# Allegro board C112P01-T2-ZDS-A03.brd (continued)
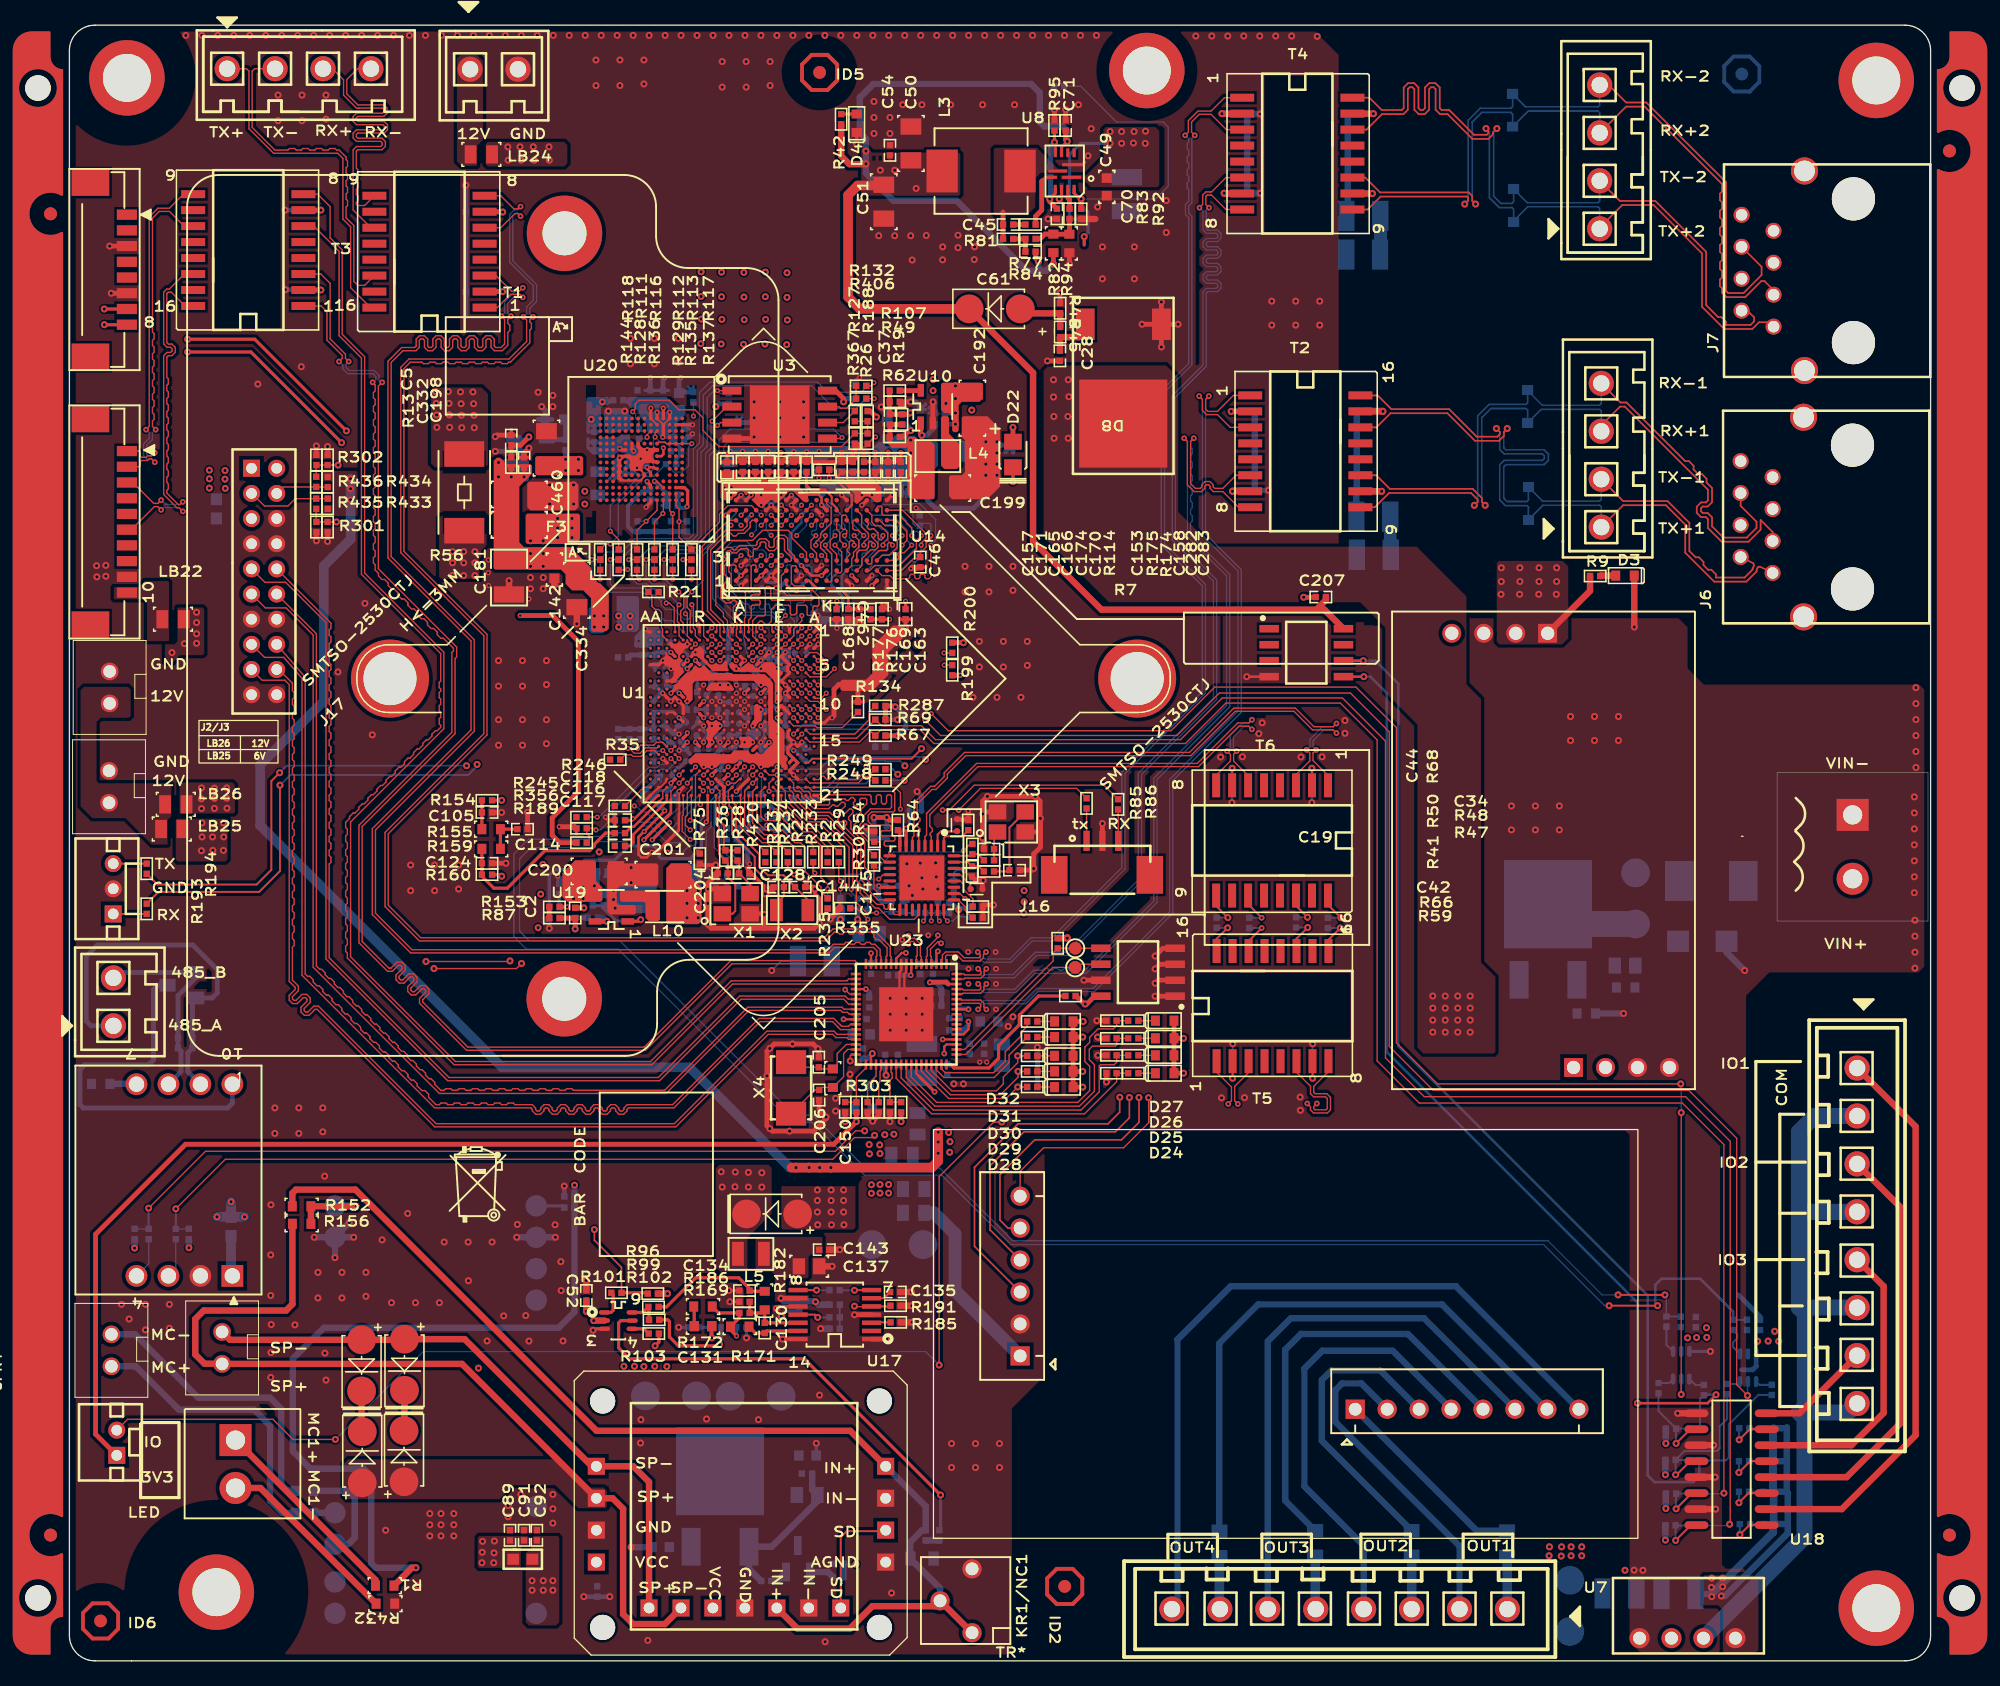
[diagram p0: board, top side]
## Nets (continued)
RMII_TXD0: U1.D19(RMII_TXD0/GPIO7_1/LCD_DATA0) U6.16(TXD0)
RMII_TXD1: U1.C21(RMII_TXD1/TEST_CLK/LCD_DATA1) U6.17(TXD1)
RS485_2_A_D+: D18.2(C2) J19.9 J20.1 R215.1(A) R215.2(B)
RS485_2_B_D-: D18.1(C1) J19.8 J20.2 R214.1(A) R214.2(B)
RS_5V: J19.7 R216.2
RS_GND: D18.3(A) J19.10
RSVD_GMAC_FILTER: R276.1 R290.2 U23.46(LINK_LED4/RSVD_GMAC_FILTER)
RTC_XIN: C145.1(A) U1.L21(RTC_XIN) X2.1
RTC_XOUT: C144.1(A) U1.L20(RTC_XOUT) X2.2
RX+3: R131.1(A) T5.11(RX+)
RX-3: R130.1(A) T5.9(RX-)
RXIM0: U23.58(RXIM0)
RXIM1: T2.8(RD-) U23.64(RXIM1)
RXIM2: T4.8(RD-) U23.68(RXIM2)
RXIM3: T5.8(RD-) U23.6(RXIM3)
RXIM4: T1.8(RD-) U23.13(RXIM4)
RXIM5: T3.8(RD-) U23.19(RXIM5)
RXIM6: U11.9 U23.24(RXIM6)
RXIM7: U11.18 U23.30(RXIM7)
RXIP0: U23.57(RXIP0)
RXIP1: T2.6(RD+) U23.65(RXIP1)
RXIP2: T4.6(RD+) U23.67(RXIP2)
RXIP3: T5.6(RD+) U23.7(RXIP3)
RXIP4: T1.6(RD+) U23.12(RXIP4)
RXIP5: T3.6(RD+) U23.20(RXIP5)
RXIP6: U11.10 U23.23(RXIP6)
RXIP7: U11.17 U23.31(RXIP7)
SD6: R434.2(B) R436.1(A) U11.4
SD7: R433.2(B) R435.1(A) U11.3
SDIO0_CARD_DETECT: U1.U4(SDIO0_CARD_DETECT/GPIO1_1)
SDIO0_CARD_POWER_EN: U1.AA2(SDIO0_CARD_POWER_EN/GPIO1_0)
SDIO0_CCLK_OUT: R21.2(B)
SDIO0_CCMD: U1.Y1(SDIO0_CCMD/GPIO1_3)
SDIO0_CDATA0: U1.W1(SDIO0_CDATA0/GPIO1_4)
SDIO0_CDATA1: U1.V2(SDIO0_CDATA1/GPIO1_5)
SDIO0_CDATA2: U1.W3(SDIO0_CDATA2/GPIO1_6)
SDIO0_CDATA3: U1.Y2(SDIO0_CDATA3/GPIO1_7)
SDIO1_CCLK_OUT: R22.2(B)
SDIO1_CCMD: R234.2(B)
SDIO1_CDATA0: R233.2(B)
SDIO1_CDATA1: R235.2(B)
SDIO1_CDATA2: R236.2(B)
SDIO1_CDATA3: R237.2(B)
SENSOR0_CLK: R245.1(A)
SENSOR0_RSTN/BOOT_SEL1: R189.2(B) R356.1(A) U1.V16(SENSOR0_RSTN/GPIO4_1/BOOT_SEL1)
SFC_CLK: R127.2(B) U3.6(SCK)
SFC_CSN: R136.2(B) R192.2(B) U3.1(\\C\S\)
SFC_HOLD_IO3: R128.2(B) R366.2(B) R406.2(B)
SFC_MISO_IO1: R129.2(B) U3.2(SO)
SFC_MOSI_IO0: R137.2(B) U3.5(SI)
SFC_WP_IO2: R65.1(A) R135.2(B) U3.3(\\W\P\)
SPI0_CSN/I2C1_SCL: R208.2(B) U1.V15(SPI0_CSN/GPIO4_5/I2C1_SCL)
SPI0_SCLK/I2C0_SCL: R247.1(A)
SPI0_SDI/I2C1_SDA: R207.2(B) U1.W15(SPI0_SDI/GPIO4_4/I2C1_SDA)
SPI0_SDO/I2C0_SDA: R204.2(B) U1.Y15(SPI0_SDO/GPIO4_3/I2C0_SDA)
SPK+: D38.1(CATHODE) D40.1(CATHODE) J11.1 J18.2 R156.1(A) U13.6(SP+)
SPK-: D39.1(CATHODE) D45.1(CATHODE) J11.2 J18.1 U13.5(SP-)
SVB_PWM: R203.1(A) U1.P21(SVB_PWM/GPIO10_2)
SYS_RSTN_OUT: C129.1(A) R132.2(B) R144.2(B)
TEST_MODE: R75.1(A) U1.R18(TEST_MODE)
TP_INT: R287.2(B) U1.B13(GPIO0_4/LCD_DATA21)
TP_RST: R198.2(B) U1.C13(GPIO0_3/IR_IN/LCD_DATA18)
TX+3: R138.1(A) T5.16(TX+)
TX-3: R133.1(A) T5.14(TX-)
TXOM0: U23.60(TXOM0)
TXOM1: T2.3(TD-) U23.62(TXOM1)
TXOM2: T4.3(TD-) U23.2(TXOM2)
TXOM3: T5.3(TD-) U23.4(TXOM3)
TXOM4: T1.3(TD-) U23.15(TXOM4)
TXOM5: T3.3(TD-) U23.17(TXOM5)
TXOM6: U11.11 U23.26(TXOM6)
TXOM7: U11.16 U23.28(TXOM7)
TXOP0: U23.59(TXOP0)
TXOP1: T2.1(TD+) U23.63(TXOP1)
TXOP2: T4.1(TD+) U23.1(TXOP2)
TXOP3: T5.1(TD+) U23.5(TXOP3)
TXOP4: T1.1(TD+) U23.14(TXOP4)
TXOP5: T3.1(TD+) U23.18(TXOP5)
TXOP6: U11.12 U23.25(TXOP6)
TXOP7: U11.15 U23.29(TXOP7)
UART0_RXD: R86.2(B) U1.U21(UART0_RXD/GPIO5_4)
UART0_TXD: R85.2(B) U1.T20(UART0_TXD/GPIO5_5)
UART1_RXD: R193.2(B) U1.T21(UART1_RXD/GPIO5_2)
UART1_TXD: R194.2(B) U1.T19(UART1_TXD/GPIO5_3)
UART4_RXD: R88.1(A) R213.1(A) U1.U18(UART1_RTSN/GPIO5_0/UART4_RXD)
UART4_TXD: R211.2(B) R212.1(A) U1.U19(UART1_CTSN/GPIO5_1/UART4_TXD)
UPDATE_MODE: R18.2(B)
UPDATE_MODE_N: R18.1(A) R165.2(B) U1.C14(GPIO0_0/UPDATE_MODE)
USB_DM: U1.AA4(USB_DM)
USB_DP: U1.Y4(USB_DP)
USB_OVRCUR: U1.AA3(USB_OVRCUR/GPIO2_0)
USB_PWREN: U1.Y3(USB_PWREN/GPIO2_2)
USB_VBUS: C59.1(A) R76.1(A) R142.2(B) U1.V4(USB_VBUS/GPIO2_1)
VGND: C38.2(B) J5.2 J5.4 J5.6 J5.8 U7.3(0V)
VI_CLK/VO_CLK: R35.1(A)
VI_DATA0/VO_DATA0/I2C5_SCL: U1.Y19(VI_DATA0/GPIO3_0/VOU_DATA0)
VI_DATA1/VO_DATA1/I2C5_SDA: U1.AA19(VI_DATA1/GPIO3_1/VOU_DATA1)
VI_DATA2/VO_DATA2/I2C6_SCL: U1.Y18(VI_DATA2/GPIO3_2/VOU_DATA2)
VI_DATA3/VO_DATA3/I2C6_SDA: U1.AA18(VI_DATA3/GPIO3_3/VOU_DATA3)
VI_DATA4/VO_DATA4/SPI2_SCLK: U1.W18(VI_DATA4/GPIO3_4/VOU_DATA4)
VI_DATA5/VO_DATA5/SPI2_SDO: U1.AA17(VI_DATA5/GPIO3_5/VOU_DATA5)
VI_DATA6/VO_DATA6/SPI2_SDI: U1.Y17(VI_DATA6/GPIO3_6/VOU_DATA6)
VI_DATA7/VO_DATA7/SPI2_CSN: U1.AA16(VI_DATA7/GPIO3_7/VOU_DATA7)
VI_HS/SENSOR_HS/SENSOR1_RSTN: U1.V18(VI_HS/GPIO4_7/SENSOR1_RSTN)
VI_VS/SENSOR_VS/SENSOR1_CLK: R246.1(A)
VLAN_DIS: R271.1 R292.2 U23.41(F_POWER_OFF_LED/VLAN_DIS)
WOL: R282.2 U23.51(WOL)
X1: C205.2 R303.1 U23.32(OSCI) X4.1
X2: C206.2 R303.2 U23.33(X2) X4.2
XIN: C204.1(A) R36.1(A) U1.N21(XIN) X1.1
XOUT: R28.1(A) R36.2(B) U1.N20(XOUT)
$9N18176: C161.1(A) R178.2(B) R179.1(A) U15.H1(VREFDQ)
$9N18177: C159.1(A) R180.2(B) R181.1(A) U15.M8(VREFCA)
$9N18178: R115.2(B) U15.L8(ZQ)
$9N18185: C153.1(A) R174.1(A) R175.2(B) U14.M8(VREFCA)
$9N18186: C462.1(A) R176.1(A) R177.2(B) U14.H1(VREFDQ)
$9N18198: R114.2(B) U14.L8(ZQ)
$10N9450: R237.1(A) U1.J20(SDIO1_CDATA3/GPIO6_5)
$10N9451: R236.1(A) U1.G21(SDIO1_CDATA2/GPIO6_4)
$10N9452: R235.1(A) U1.H21(SDIO1_CDATA1/GPIO6_3)
$10N9453: R234.1(A) U1.J21(SDIO1_CCMD/GPIO6_1)
$10N9454: R233.1(A) U1.G20(SDIO1_CDATA0/GPIO6_2)
$10N9455: R22.1(A) U1.H20(SDIO1_CCLK_OUT/GPIO6_0)
$10N9456: R21.1(A) U1.W2(SDIO0_CCLK_OUT/GPIO1_2)
$10N9463: C116.2(B) U1.W20(AC_INL)
$10N9464: C117.2(B) U1.W21(AC_INR)
$19N2543: R239.2(B) U1.E19(JTAG_TCK/SPI1_SDO/RMII_RXD1)
$19N2544: R238.2(B) U1.F19(JTAG_TRSTN/SPI1_SCLK/RMII_TXD1)
$19N2566: C128.1(A) R28.2(B) X1.3
$19N2573: R26.2(B) U1.T1(EMMC_CLK/SFC_CLK)
$19N2578: C90.2(B) R148.1(A) R149.1(A) U1.R5(DVDD3318_FLASH)
$20N13: R61.2(B) U6.12(RXD3/CLK_CTL)
$20N14: C44.1(A) U6.2(AVDD10OUT)
$20N15: C42.1(A) U6.29(DVDD10OUT)
$20N16: R64.2(B) U6.8(RXDV)
$20N17: R68.2(B) U6.1(RSET)
$20N18: C32.1(A) LB1.2 U6.30(AVDD33_2)
$20N19: C33.1(A) LB2.2 U6.7(AVDD33_1)
$20N20: R66.2(B) U6.28(RXER/FXEN)
$24N4711: R52.1(A) R62.2(B)
$24N4737: L4.1(A) U10.3(LX)
$24N4738: C37.2(B) R19.2(B) R49.2(B) R52.2(B) R107.2(B)
$24N4740: R87.1(A) R153.2(B)
$24N4741: L10.1(A) U19.3(LX)
$24N4742: R106.1(A) U19.5(FB)
$24N4743: C27.1(A) R153.1(A) R203.2(B)
$24N4744: R3.2(B) R24.1(A) U9.4(SNS/NC)
$24N4746: C5.1(A) R13.2(B) U9.3(EN)
$24N6101: C2.2(B) R78.2(B) R79.1(A) R87.2(B) R106.2(B)
$24N6123: R107.1(A) U10.5(FB)
$25N58: R29.1(A) U1.F20(EPHY_CLK/GPIO7_7/LCD_DATA7)
$25N63: R33.1(A) U1.E20(MDCK/GPIO8_6/LCD_DATA4)
$25N69: R30.1(A) U1.B21(RMII_CLK/GPIO7_2/LCD_HSYNC)
$25N1561: R249.1(A) U1.A19(DSI_D3P/GPIO9_0/LCD_DATA16)
$25N1562: R248.1(A) U1.B19(DSI_D3N/GPIO9_1/LCD_DATA17)
$25N1563: R205.2(B) R247.2(B) U1.W16(SPI0_SCLK/GPIO4_2/I2C0_SCL)
$25N1564: R246.2(B) U1.AA20(VI_VS/GPIO4_6/SENSOR1_CLK)
$25N1565: R245.2(B) U1.V17(SENSOR0_CLK/GPIO4_0)
$25N1576: R35.2(B) U1.Y16(VI_CLK/GPIO2_3/VOU_CLK)
$27N556: R132.1(A) R406.1(A) U3.7(\\H\O\LD\)
$27N1472: R146.1(A) U20.H5(RCLK/DS)
$27N1480: C55.1(A) C57.1(A) U20.C2(VDDI)
N14034: R2.1(A) U1.F21(GPIO0_6/LCD_CLK/VOU_CLK)
N15637: C56.1(A) R25.2(B)
N23259: C423.1(A) R308.2(B) U19.1(EN)
N23347: D22.2(B) R225.2(B)
N23431: C81.1(A) R170.2(B) U10.1(EN)
N885079: J16.1 R85.1(A)
N885083: J16.3 R86.1(A)
N1001204: J8.7 R90.1(A)
N1001336: J8.3 R98.1(A)
N1001424: J8.1 R201.1(A)
N1001498: J8.5 R202.1(A)
N1002156: J14.1 R193.1(A)
N1002165: J14.3 R194.1(A)
N16789547: J19.3 R212.2(B)
N16789551: J19.4 R213.2(B)
N16844443: J19.1 LB6.1
N16845404: R80.2(B) R92.1(A) R431.1(A) U8.12(EN)
N16884277: D3.A R9.2
N16885885: D4.A R42.2
N16892554: C28.1(A) D8.3 R45.2
N16892582: D7.1(CATHODE) R45.1 R46.2
N16898230: J2.1 J3.1 LB25.2 LB26.2
N16898246: J15.1 LB24.2
N16937131: D2.1(CATHODE) D19.2(B) F1.2
N16958790: R241.2 U18.7(A4)
N16958797: R231.2 U18.5(A3)
N16958813: R224.2 U18.1(A1)
N16958827: R228.2 U18.3(A2)
N16994610: C35.1(A) D5.2(K) U7.2(VIN)
N17014438: C39.2 C77.1
N17014488: C40.2 C83.1
N17054389: R103.2(B) U16.4(NC)
N17057139: D38.2(ANODE) D39.2(ANODE)
N17057149: D40.2(ANODE) D45.2(ANODE)
N17069014: J13.10 LB22.1
N17071576: R11.2(B) U2.6(NO)
N17071582: R12.2(B) U2.4(NC)
N17071610: R10.1(A) U2.1(IN)
N17081385: R17.2(B) U21.6(NO)
N17081387: R34.2(B) U21.4(NC)
N17081412: R16.1(A) U21.1(IN)
N17128871: U12.8(MIC1+)
N17128874: U12.7(MIC1-)
N17150081: C6.1(A) D2.2(ANODE) Q5.2(SOURCE) R6.2(B)
N17150088: C6.2(B) Q5.1(GATE) R6.1(A) R8.2(B)
N17153168: Q7.2(C) R299.2(B)
N17153187: C284.1(A) Q6.1(G) R299.1(A) R300.2(B)
N17153522: C11.2(B) C284.2(B) D20.2(ANODE) Q6.2(S) R300.1(A)
N17599695: C72.2 T1.2(CTD)
N17599699: C74.2 T1.7(CRD)
N17602004: C61.1(A) R81.2(B) R84.1(A)
N17602008: R93.2(B) R95.1(A) U8.6(MODE)
N17602016: R77.1(A) U8.8(BST)
N17602039: C45.2(B) L3.1(A) R81.1(A) U8.7(SW)
N17602043: R83.1(A) U8.11(FB)
N17602252: R82.2(B) R83.2(B) R84.2(B) R94.1(A)
N17602278: C70.1(A) R93.1(A) U8.9(VCC)
N17602290: C45.1(A) R77.2(B)
N17619483: R140.1(A) U12.10(MIC0+)
N17619485: R141.1(A) U12.9(MIC0-)
N17619513: C92.2 LB4.2 U12.6(VCC5V)
N17624383: J9.1 R140.2(B)
N17624386: J9.2 R141.2(B)
N17625518: C103.2 R157.1(A)
N17630638: C78.2 T3.2(CTD)
N17630660: C79.2 T3.7(CRD)
N17635400: C84.2 T5.2(CTD)
N17635422: C85.2 T5.7(CRD)
N17708031: C86.2 T6.2(CTD)
N17708053: C87.2 T6.7(CRD)
N17709139: R130.2(B) T6.16(TX+)
N17709142: R131.2(B) T6.14(TX-)
N17709145: R133.2(B) T6.11(RX+)
N17709148: R138.2(B) T6.9(RX-)
N17853680: R219.2 R226.1 U18.16(EM1)
N17853709: R223.2 R224.1
N17853778: R220.2 R229.1 U18.14(EM2)
N17853826: R227.2 R228.1
N17853828: R230.2 R231.1
N17853830: R240.2 R241.1
N17898484: C114.1(A) R155.1(A) R159.2(B)
N17905239: C131.2(B) R173.2(B) R183.1(A)
N17905268: C133.1(A) R169.2(B) R171.2(B) R172.1(A)
N17905278: R184.2(B) R187.1(A) R190.2(B)
N17905288: C131.1(A) R172.2(B)
N17905290: C130.2(B) R171.1(A) U17.13(-INL)
N17905305: C138.2(B) U17.8(CP)
N17905311: R184.1(A) U17.11(UVP)
N17905313: C130.1(A) R169.1(A) R182.1(A) R186.1(A) U17.12(OUTL)
N17905336: R185.1(A) U17.3(OUTR)
N17905362: C135.2(B) U17.6(PVSS)
N17905372: C138.1(A) U17.7(CN)
N17957244: C80.2 T4.2(CTD)
N17957254: C82.2 T4.7(CRD)
N17957304: R126.1 T4.15(CTX)
N17957308: R125.1 T4.10(CRX)
N17957320: C83.2 R125.2 R126.2
N17957356: C77.2 R119.2 R120.2
N17957366: C75.2 T2.2(CTD)
N17957382: C76.2 T2.7(CRD)
N17957450: R120.1 T2.15(CTX)
N17957454: R119.1 T2.10(CRX)
N17958278: LB3.2 U11.5
N18052734: D24.C(CATHODE) R271.2
N20115523: R293.2 U23.8(BGRES)
N20253903: R284.1 U23.38(TEST1)
N171353801: J4.1 R1.2(B)
N171354051: J4.2 R432.2(B)
N171530730: Q7.1(B) R297.1(A)
N171540091: D20.1(CATHODE) D21.2(ANODE)

Pads without a net: ID1 1; ID2 1; ID3 1; ID4 1; ID5 1; ID6 1; J6 4 5 7 8 11 12; J7 4 5 7 8 11 12; J12 4 5; J13 4 5 7 8; J17 1 2; M1 1; M2 1; M3 1; M4 1; M5 1; R216 1; R420 2; R421 2; R422 2; R423 2; R424 2; T1 4 5 10 12 13 15; T2 4 5 12 13; T3 4 5 10 12 13 15; T4 4 5 12 13; T5 4 5 10 12 13 15; T6 4 5 10 12 13 15; U1 B12 E5; U6 11 13 18 19 27; U8 3 4; U12 3 4; U14 J1 J9 L1 L9; U15 J1 J9 L1 L9; U17 2; U20 A1 A2 A7 A8 A9 A10 A11 A12 A13 A14 B1 B3 B4 B5 B6 B7 B8 B9 B10 B11 B12 B13 B14 C1 C3 C5 C7 C8 C9 C10 C11 C12 C13 C14 D1 D2 D3 D4 D12 D13 D14 E1 E2 E3 E5 E8 E9 E10 E12 E13 E14 F1 F2 F3 F10 F12 F13 F14 G1 G2 G3 G10 G12 G13 G14 H1 H2 H3 H12 H13 H14 J1 J2 J3 J12 J13 J14 K1 K2 K3 K6 K7 K10 K12 K13 K14 L1 L2 L3 L12 L13 L14 M1 M2 M3 M7 M8 M9 M10 M11 M12 M13 M14 N1 N3 N6 N7 N8 N9 N10 N11 N12 N13 N14 P1 P2 P7 P8 P9 P10 P11 P12 P13 P14; U28 1 2 3 7

## Via types
v1: diameter 0.559, hole 0.254, TOP to BOTTOM, 904 vias
v2: diameter 0.457, hole 0.203, TOP to BOTTOM, 80 vias
v3: diameter 0.406, hole 0.203, TOP to BOTTOM, 438 vias

## Routing (per net, layer and track width the routed paths; a pad name or vN(x,y) marks a point on that pad's centre or on a via; arc(x,y) is an arc through that point)
1V8: length 52.7
  TOP w0.381: v3(35.84,83.11) 38.4,83.11 40.46,81.05 40.46,69.11 38.38,67.03 38.38,65.63 38.96,65.05 R189.1
  ART03 w0.381: v3(35.84,83.11) 34.92,82.19 29.41,82.19 28.78,82.83 28.78,90.96 29.67,91.85 35.51,91.85 38.3,94.64 v1(39.45,94.64)
  BOTTOM w0.381: R3.1 v1(39.45,95.53)
  vias: v1(40.46,95.53) v1(40.46,94.64)
1V8_SOC: length 23.8
  TOP w0.254: v3(49.12,73.03) 48.8,72.71 U1.U15 ; U1.U14 48.8,73.36 49.12,73.68 v3(49.12,73.78) ; U1.U12 v3(48.47,74.98) ; U1.K17 53.02,71.08 v3(53.02,71.08) U1.L18 ; U1.T5 49.44,79.21 v3(49.12,78.88)
  ART03 w0.254: v3(53.02,71.08) 53.8,70.31 53.8,68.48 54.61,67.67 56.06,67.67 v3(56.13,67.59)
  BOTTOM w0.254: v3(49.12,78.88) 49.23,78.78 R148.2 ; v3(49.12,73.03) 49.08,73.07 C141.2 ; C139.2 48.59,74.32 48.84,74.57 49.03,74.57 C122.2 49.03,74.73 48.78,74.98 v3(48.47,74.98) 47.99,75.46 46.52,75.46 C22.1
  BOTTOM w0.305: v3(49.12,78.88) 49.08,78.88 C125.1 ; v3(56.13,67.59) 55.65,68.07 R197.2 R195.2 54.13,67.18 54.03,67.08 R89.1 R40.1 53.9,66.19 R143.1 ; C22.1 R208.1 R205.1 R207.1 R204.1
  vias: v1(40.97,92.99) v1(40.97,91.97)
3V3: length 123.4
  TOP w0.254: v3(47.71,66.65) 47.7,66.65 v3(46.33,65.28) ; U6.14 64.45,61.51 v3(64.34,61.62)
  TOP w0.381: D22.1 v1(75.01,98.07) ; v1(63.96,67.06) v1(64.97,67.06) 65.18,66.85 R64.1 ; v1(64.15,98.89) 63.68,99.36 R188.1 ; U3.8 60.91,100.99 61.54,100.36 v1(61.54,100.1) ; R69.2 R287.1 65.58,75.92 v1(65.66,75.84) ; v1(71.07,80.95) R200.2 ; v3(70.82,78.36) R199.2 ; v1(65.86,73.56) R67.2
  POWER5 w1.016: 127.58,29.74 130.53,29.74 131.55,30.76 131.55,58.93 114.69,75.78 90.87,75.78 89.97,74.88
  BOTTOM w0.254: 41.3,97.71 R108.2 ; R108.2 42.16,97.71 ; R108.2 41.73,98.15 ; 42.49,100.23 v1(42.37,100.1) 42.46,100.01 42.8,100.01 R109.2 42.49,100.23
  BOTTOM w0.381: C31.1 v1(64.97,67.06) ; v1(64.97,67.06) 65.19,66.84 LB2.1 ; v1(64.97,67.06) 65,67.08 ; 64.31,61.59 v3(64.34,61.62) C30.1 ; 64.31,61.59 63.7,61.59 R61.1 ; 64.31,61.59 64.31,60.66 64.59,60.38 R196.1 ; v1(62.66,58.95) R206.1 62.56,59.82 ; C29.1 v1(63.96,67.06) ; C69.1 v1(70.43,99.21) ; R366.1 61.8,100.36 v1(61.54,100.1) ; R67.2 v1(65.86,73.56) 66.5,74.19 66.5,75.01 v1(65.66,75.84) ; v1(51.38,99.72) 51.41,99.72 51.64,99.95 R192.1 ; R308.1 41.61,61.49 v1(41.73,61.62) 41.96,61.85 C98.1 ; LB1.1 70.31,60.66 R63.2 70.13,60.27 v1(70.69,59.72) 70.82,59.84 71.58,59.84 R60.2 ; R170.1 v1(70.43,98.32)
  BOTTOM w0.508: R222.1 v1(126.91,17.28) ; R220.1 v1(126.91,12.12) ; R221.1 v1(126.87,14.8) ; R219.1 v1(126.87,9.6)
  BOTTOM w0.762: R51.1 v1(61.29,58.95)
  vias: v1(34.11,95.28) v1(34.11,94.13) v1(35.13,94.13) v1(36.14,94.13) v1(36.65,88.04) v1(36.65,87.02) v1(37.26,58.29) v1(37.47,60.96) v1(37.64,63.32) v1(37.67,88.04) v1(37.67,87.02) v1(40.08,60.6) v1(40.84,61.49) v1(40.84,60.6) v1(41.48,98.7) v1(41.73,83.08) v1(41.73,82.19) v1(42.11,64.31) v1(42.47,83.08) v1(42.47,82.19) v1(68.66,101.88) v1(68.66,100.99) v1(69.67,99.97) v1(70.43,101.37) v1(70.43,100.36) v1(71.73,99.44) v1(128.64,25.68) v1(129.35,25.7) v1(130.14,26.49) v1(130.16,25.72) v1(134.2,25.41) v1(135.04,25.43) v1(135.56,26.2) v1(135.88,25.41) v3(62.41,70.48) v3(63.32,71.15)
3V3_BD: length 132.6
  TOP w0.229: U8.5 78.87,120.35 v1(79.32,120.8)
  TOP w0.381: C61.2 76.81,111.51 v1(77.04,111.28) ; C71.1 79.2,120.93 v1(79.32,120.8) ; R82.1 v1(78.22,111.06)
  TOP w0.508: C52.2 v1(41.09,27.78) ; C207.2 99.89,84.35 99.12,83.58 ; R42.1 61.35,119.65 62,119 63.3,119 v1(63.32,119.02) ; 99.12,83.58 99.76,83.58 U28.8 ; 99.12,83.58 82.04,83.58 76.61,89.01 76.61,102.41 D7.2 ; U16.2 v1(41.68,27.05) ; R99.2 v1(47.55,29.2)
  TOP w0.762: D7.2 62.84,107.49 61.9,108.43 61.9,116.54 62.66,117.3 64.68,117.3 C51.1
  BOTTOM w0.508: R211.1 v1(9.5,32.84) ; 77.06,110.52 77.04,110.54 v1(77.04,111.28) ; 77.06,110.52 76.1,110.52 70.52,116.09 65.51,116.09 63.32,118.28 v1(63.32,119.02) v1(63.32,120.04) 63.32,121.01 62.84,121.49 62.84,124.31 63.91,125.37 76.45,125.37 77.14,124.69 77.14,122.35 77.5,122 78.94,122 79.32,121.62 v1(79.32,120.8) ; 77.06,110.52 77.67,110.52 v1(78.22,111.06) ; R88.2 v1(5.18,32.82)
  BOTTOM w0.762: LB6.2 v1(12.85,36.5) ; LB6.2 v1(11.73,35.3) ; LB6.2 v1(13.92,35.3)
  vias: v1(11.13,94.67) v1(11.13,93.98) v1(11.13,93.24) v1(12.37,94.64) v1(12.37,93.95) v1(12.4,93.22) v1(29.11,100.91) v1(29.16,99.97) v1(29.18,99.06) v1(29.21,98.07) v1(30.12,100.91) v1(30.18,99.97) v1(30.2,99.06) v1(30.23,98.07) v1(31.09,100.89) v1(31.14,99.95) v1(31.17,99.03) v1(31.19,98.04) v1(32.08,100.89) v1(32.13,99.95) v1(32.16,99.03) v1(32.18,98.04) v1(63.58,41.05) v1(63.6,40.31) v1(63.75,37.86) v1(63.75,37.17) v1(64.41,41.02) v1(64.44,40.34) v1(64.44,37.88) v1(64.44,37.19) v1(64.47,118.52) v1(64.82,41.83) v1(65.13,37.88) v1(65.13,37.19) v1(65.54,41.87) v1(65.61,118.52) v1(67.31,117.07)
3V3_SOC: length 18
  TOP w0.254: v3(47.82,76.93) 48.14,77.26 U1.V8
  TOP w0.381: 55.75,74.5 55.75,77.65 55.36,78.04
  BOTTOM w0.254: R39.2 48.23,77.9 R149.2 49.12,77 v3(49.12,76.28) 49.07,76.24 LB14.1 ; v3(51.07,71.08) v3(50.42,71.08) 50.17,71.33 50.17,71.42 LB11.1 49.9,71.64 49.36,71.64 49.28,71.56 C126.2 48.5,71.02 48.34,71.02 47.92,70.6 C36.2 ; v3(54.97,77.58) 54.59,77.58 LB19.1
  BOTTOM w0.305: LB16.1 54.13,71.67 C94.1 54.36,71.73 54.97,71.11 v3(54.97,71.08) ; v3(51.07,71.08) 51.07,71.22 C95.1 ; C93.1 57.68,72.38 v3(57.57,72.38) 57.4,72.56 LB5.1 56.85,72.67 56.31,73.2 v3(56.31,73.69)
  vias: v1(43.66,83.08) v1(43.66,82.19) v1(44.58,83.08) v1(44.58,82.19)
5V_AU:
  vias: v1(32.84,9.5) v1(32.82,8.64) v1(32.79,7.8) v1(33.73,7.8) v1(33.78,9.52) v1(33.76,8.59) v1(51.82,38.89) v1(51.89,37.67) v1(52.93,38.86) v1(52.91,37.69) v1(53.98,38.84) v1(53.98,37.67) v1(55.04,38.81) v1(55.04,37.67)
6V0_MAIN: length 15.4
  TOP w0.508: J27.5 120.88,85.07 R9.1
  BOTTOM w0.254: v1(82.73,120.65) 80.39,120.65 79.5,119.76 79.5,114.89 79.76,114.64 R80.1
  vias: v1(8.15,80.16) v1(9.14,80.87) v1(10.11,83.36) v1(10.11,82.55) v1(10.11,81.66) v1(10.11,80.9) v1(10.54,66.62) v1(10.54,65.51) v1(10.49,64.41) v1(11.38,66.62) v1(11.38,65.51) v1(11.4,64.44) v1(12.24,66.62) v1(12.24,64.44) v1(12.27,65.51) v1(50.22,110.44) v1(50.22,108.48) v1(50.24,106.68) v1(50.19,104.72) v1(51.84,110.41) v1(51.84,108.46) v1(51.82,104.7) v1(51.87,106.65) v1(53.62,110.39) v1(53.62,108.43) v1(53.64,106.63) v1(53.59,104.67) v1(55.32,110.41) v1(55.32,108.46) v1(55.35,106.65) v1(55.3,104.7) v1(57.05,110.36) v1(57.05,108.41) v1(57.02,104.65) v1(57.07,106.6) v1(59.46,37.44) v1(59.46,36.6) v1(59.46,35.69) v1(59.49,34.67) v1(60.55,37.44) v1(60.55,36.6) v1(60.55,35.69) v1(60.58,34.67) v1(61.54,37.44) v1(61.54,36.6) v1(61.54,35.69) v1(61.57,34.67) v1(82.73,121.59) v1(83.64,121.59) v1(83.64,120.65) v1(84.63,121.59) v1(84.58,120.68) v1(85.55,121.62) v1(85.52,120.65) v1(113.83,86.91) v1(113.83,85.81) v1(113.8,84.8) v1(115.3,86.91) v1(115.3,85.81) v1(115.28,84.8) v1(116.83,86.91) v1(116.83,85.81) v1(116.8,84.8) v1(117.63,8.36) v1(117.65,9.07) v1(118.22,86.91) v1(118.22,85.81) v1(118.2,84.8) v1(118.62,9.07) v1(118.59,8.33) v1(119.38,9.07) v1(119.38,8.36) v1(120.22,9.07) v1(120.22,8.36)
12V0:
  vias: v1(10.5,69.4) v1(10.49,68.53) v1(10.51,67.76) v1(11.53,69.39) v1(11.53,68.57) v1(11.53,67.77) v1(12.51,69.4) v1(12.51,68.58) v1(12.53,67.79) v1(34.85,120.37) v1(34.88,119.31) v1(35.82,120.37) v1(35.92,119.31) v1(36.88,120.37) v1(36.94,119.31) v1(38.13,120.37) v1(38.15,119.31) v1(44.08,23.42) v1(44.92,23.42) v1(45.67,23.41) v1(46.53,23.42) v1(47.5,23.41) v1(78.23,101.85) v1(78.23,100.48) v1(78.26,98.93) v1(78.28,97.21) v1(79.4,101.85) v1(79.45,100.51) v1(79.38,98.93) v1(79.4,97.21) v1(108.38,52.86) v1(108.38,51.9) v1(108.38,50.94) v1(108.38,49.99) v1(109.37,52.86) v1(109.37,51.9) v1(109.37,50.94) v1(109.37,49.99) v1(110.36,52.86) v1(110.36,51.9) v1(110.36,50.94) v1(110.36,49.99) v1(111.35,52.86) v1(111.35,51.9) v1(111.35,50.94) v1(111.35,49.99)
AV33: length 8.9
  TOP w0.178: v2(71.47,51.8) 71.46,51.81 U23.61 ; U23.27 v2(61.54,51.01) ; U23.56 71.07,49.81 71.47,50.21 v2(71.47,50.83) ; U23.16 v2(63.72,56.26) ; v2(66.5,56.29) 66.17,56.29 65.72,55.84 U23.11 ; U23.3 68.92,56.3 v2(69.04,56.41)
  BOTTOM w0.381: C193.1 71.06,50.14 71.47,50.55 v2(71.47,50.83) ; v2(71.47,51.8) 71.43,51.84 70.71,51.84
AVCC: length 105.5
  TOP w0.381: U24.8 81.5,52.84 80.87,52.22 v1(80.75,52.22) 80.67,52.22 80.04,52.86 R282.1
  TOP w0.508: R296.1 v1(79.32,57.45) 79.32,57.53
  TOP w0.762: 57.4,39.22 v1(57.76,39.22) v1(58.8,39.22) v1(59.64,39.22) v1(60.53,39.22) 68.55,39.22 69.06,39.73 v1(69.06,40.36) v1(69.06,41.25) v1(69.06,42.04)
  BOTTOM w0.762: v1(22.35,93.98) v1(22.35,93.19) v1(22.35,92.3) 22.35,89.18 20.22,87.05 20.22,76.3 15.16,71.25 15.16,66.42 34.39,47.19 49.3,47.19 57.28,39.22 v1(57.76,39.22) v1(58.8,39.22) v1(59.64,39.22) v1(60.53,39.22) 61.26,39.22
  vias: v1(69.9,42.01) v1(70,41.27) v1(69.98,40.44) v1(75.9,61.24) v1(75.9,60.35) v1(75.87,59.46)
AVDD09_HDMITX: length 2.2
  TOP w0.254: U1.R10 50.09,75.96 50.09,75.96 v3(50.42,76.28)
  BOTTOM w0.254: LB15.2 51.03,77.18 C100.1 50.66,76.52 v3(50.42,76.28)
AVDD09_PLL: length 1.8
  TOP w0.254: U1.M15 52.05,72.71 v3(52.37,73.03)
  BOTTOM w0.254: v3(52.37,73.03) 52.37,73.5 C102.1 52.49,73.62 LB17.2
AVDD33_AC: length 1.7
  TOP w0.254: v3(49.77,73.03) 50.09,72.71 U1.R15
  BOTTOM w0.254: C96.1 49.77,73.49 v3(49.77,73.03) 49.92,72.88 LB11.2
AVDD33_DDR_PLL: length 1.8
  TOP w0.254: v3(53.67,76.93) 53.67,76.93 53.99,77.26 U1.J8
  BOTTOM w0.254: C104.1 53.89,76.71 v3(53.67,76.93) 53.67,77.45 LB19.2
AVDD33_HDMITX: length 2
  TOP w0.254: U1.R11 50.09,75.31 v3(50.42,74.98)
  BOTTOM w0.254: v3(50.42,74.98) 50.62,75.19 C99.1 49.89,75.64 LB14.2
AVDD33_PLL: length 2.5
  TOP w0.254: v3(51.07,70.43) 51.07,70.46 51.37,70.76 U1.N18
  BOTTOM w0.254: LB16.2 52.33,71.67 51.79,71.13 C101.1 51.49,70.85 v3(51.07,70.43)
AVDD33_USB: length 2.6
  TOP w0.254: U1.U9 v3(48.47,76.93)
  BOTTOM w0.254: R39.1 47.42,77.53 C110.2 47.96,77.45 v3(48.47,76.93)
AVDD3318_MIPITX: length 2.3
  TOP w0.254: U1.G15 55.29,72.71 v3(55.62,73.03)
  BOTTOM w0.305: LB5.2 56.69,71.77 C123.2 55.96,72.69 v3(55.62,73.03)
AVDD_BAT_RTC: length 8.3
  TOP w0.254: U1.M19 v3(52.37,70.43)
  ART03 w0.254: v3(52.37,70.43) 52.85,69.95 52.85,69.59 52.53,69.27 52.53,68.35 54.43,66.44 55.45,66.44 v3(55.45,66.45)
  BOTTOM w0.254: R40.2 55.07,66.07 v3(55.45,66.45) 55.83,66.07 R91.2
DDRIO_1.5V/1.35V: length 74.8
  TOP w0.178: 57.94,92.98 58.21,92.72 59.56,92.72 59.79,92.49 v3(59.79,91.89) ; 58.99,86.29 v3(59.79,86.29)
  TOP w0.203: 58.59,86.69 U14.H2 ; 58.59,86.69 58.99,86.29 ; 58.59,86.69 58.59,86.69 v3(58.2,87.08) ; v3(57.79,85.08) 57.47,85.08 56.99,85.56 56.99,85.88 U14.F1
  TOP w0.254: U14.G7 57.79,90.69 v3(58.19,91.09) ; U14.B2 v3(53.39,86.29) U14.A1 ; C163.1 v3(66.47,84.26) ; C282.1 v3(65.07,93.91) ; C283.1 v3(66.09,93.91) ; v3(64.06,96.07) C158.1 R174.2 ; 53.09,94.52 C171.1 ; C171.1 53.95,94.52 ; C171.1 53.52,94.09 ; v3(59.79,86.29) 60.19,86.68 U14.K2 ; 57.15,94.52 C170.1 ; C170.1 58,94.52 ; C170.1 57.58,94.09 ; U14.E9 v3(56.59,92.69) ; U14.D2 v3(54.99,86.29) U14.C1 ; U14.R1 v3(63.79,85.49) ; 55.55,94.09 C166.1 ; C166.1 55.98,94.52 ; C166.1 55.12,94.52 ; v3(65.2,82.81) C169.1 R176.2 ; v3(52.19,91.09) 52.59,91.49 U14.A8 ; C168.1 60.98,84.23 v3(61.01,84.26) ; U1.E11 56.59,75.31 v3(56.27,74.98) 56.59,74.66 U1.E12 ; C165.1 54.97,94.52 ; C165.1 54.1,94.52 ; C165.1 54.53,94.09 ; U14.N1 v3(62.19,86.29) ; U14.K8 60.19,91.49 v3(59.79,91.88)
  TOP w0.358: C174.1 57,94.52 ; C174.1 56.13,94.52 ; C174.1 56.57,94.09
  TOP w0.381: v1(66.88,97.05) 66.46,96.63 65.47,96.63 65.2,96.9 R62.1 65.23,97.33 C37.1 R19.1
  ART03 w0.254: v3(52.19,91.09) 52.19,90.69 v3(52.59,90.29) ; v3(57.79,85.09) 58.67,85.97 58.67,86.6 58.55,86.73 58.55,86.73 v3(58.2,87.08)
  ART03 w0.381: v3(53.39,86.29) v3(54.99,86.29)
  GND04 w0.254: v3(53.39,86.29) 52.78,86.9 52.78,90.1 v3(52.59,90.29)
  BOTTOM w0.178: 58.19,90.48 v3(58.19,91.09) ; v3(59.79,86.29) 59.17,86.29 58.99,86.46 58.99,86.92 58.83,87.08 v3(58.2,87.08)
  BOTTOM w0.203: 57.3,89.59 58.19,90.48
  BOTTOM w0.254: v3(53.62,93.88) 53.62,94.48 C461.1 ; 62.74,94.52 C167.1 ; C167.1 63.6,94.52 ; C167.1 63.17,94.09 ; v3(58.2,87.08) 57.79,87.48 U15.G7 57.51,87.77 57.51,87.77 57.3,87.98 57.3,89.59 ; C163.1 v3(66.47,84.26) ; U14.C1 v3(54.99,86.29) U15.D9 55.55,85.73 56.04,85.73 U15.E9 ; C166.1 v3(55.55,93.88) 55.55,93.73 v3(56.59,92.69) U15.F1 ; U15.A8 v3(53.39,86.29) ; C172.1 59.97,83.77 v3(59.97,84.33) ; v3(62.19,86.29) U14.N1 ; C165.1 v3(54.53,93.86) ; C285.1 61.21,94.7 C154.1 ; U14.C9 v3(54.99,92.69) ; U15.H9 58.59,85.88 58.36,85.65 58.36,85.65 v3(57.79,85.08) ; U15.H2 v3(58.19,91.09) ; U15.D2 v3(54.99,91.89) ; R181.2 C164.1 v3(65.2,82.81) ; U14.K2 60.19,86.69 v3(59.79,86.29) ; R179.2 v3(56.57,96.06) ; U14.R1 v3(63.79,85.49) ; U14.R9 v3(63.79,92.69)